# Altium PCB Control_Board_Model_C204.PcbDoc (part 3 of 6) (continued)
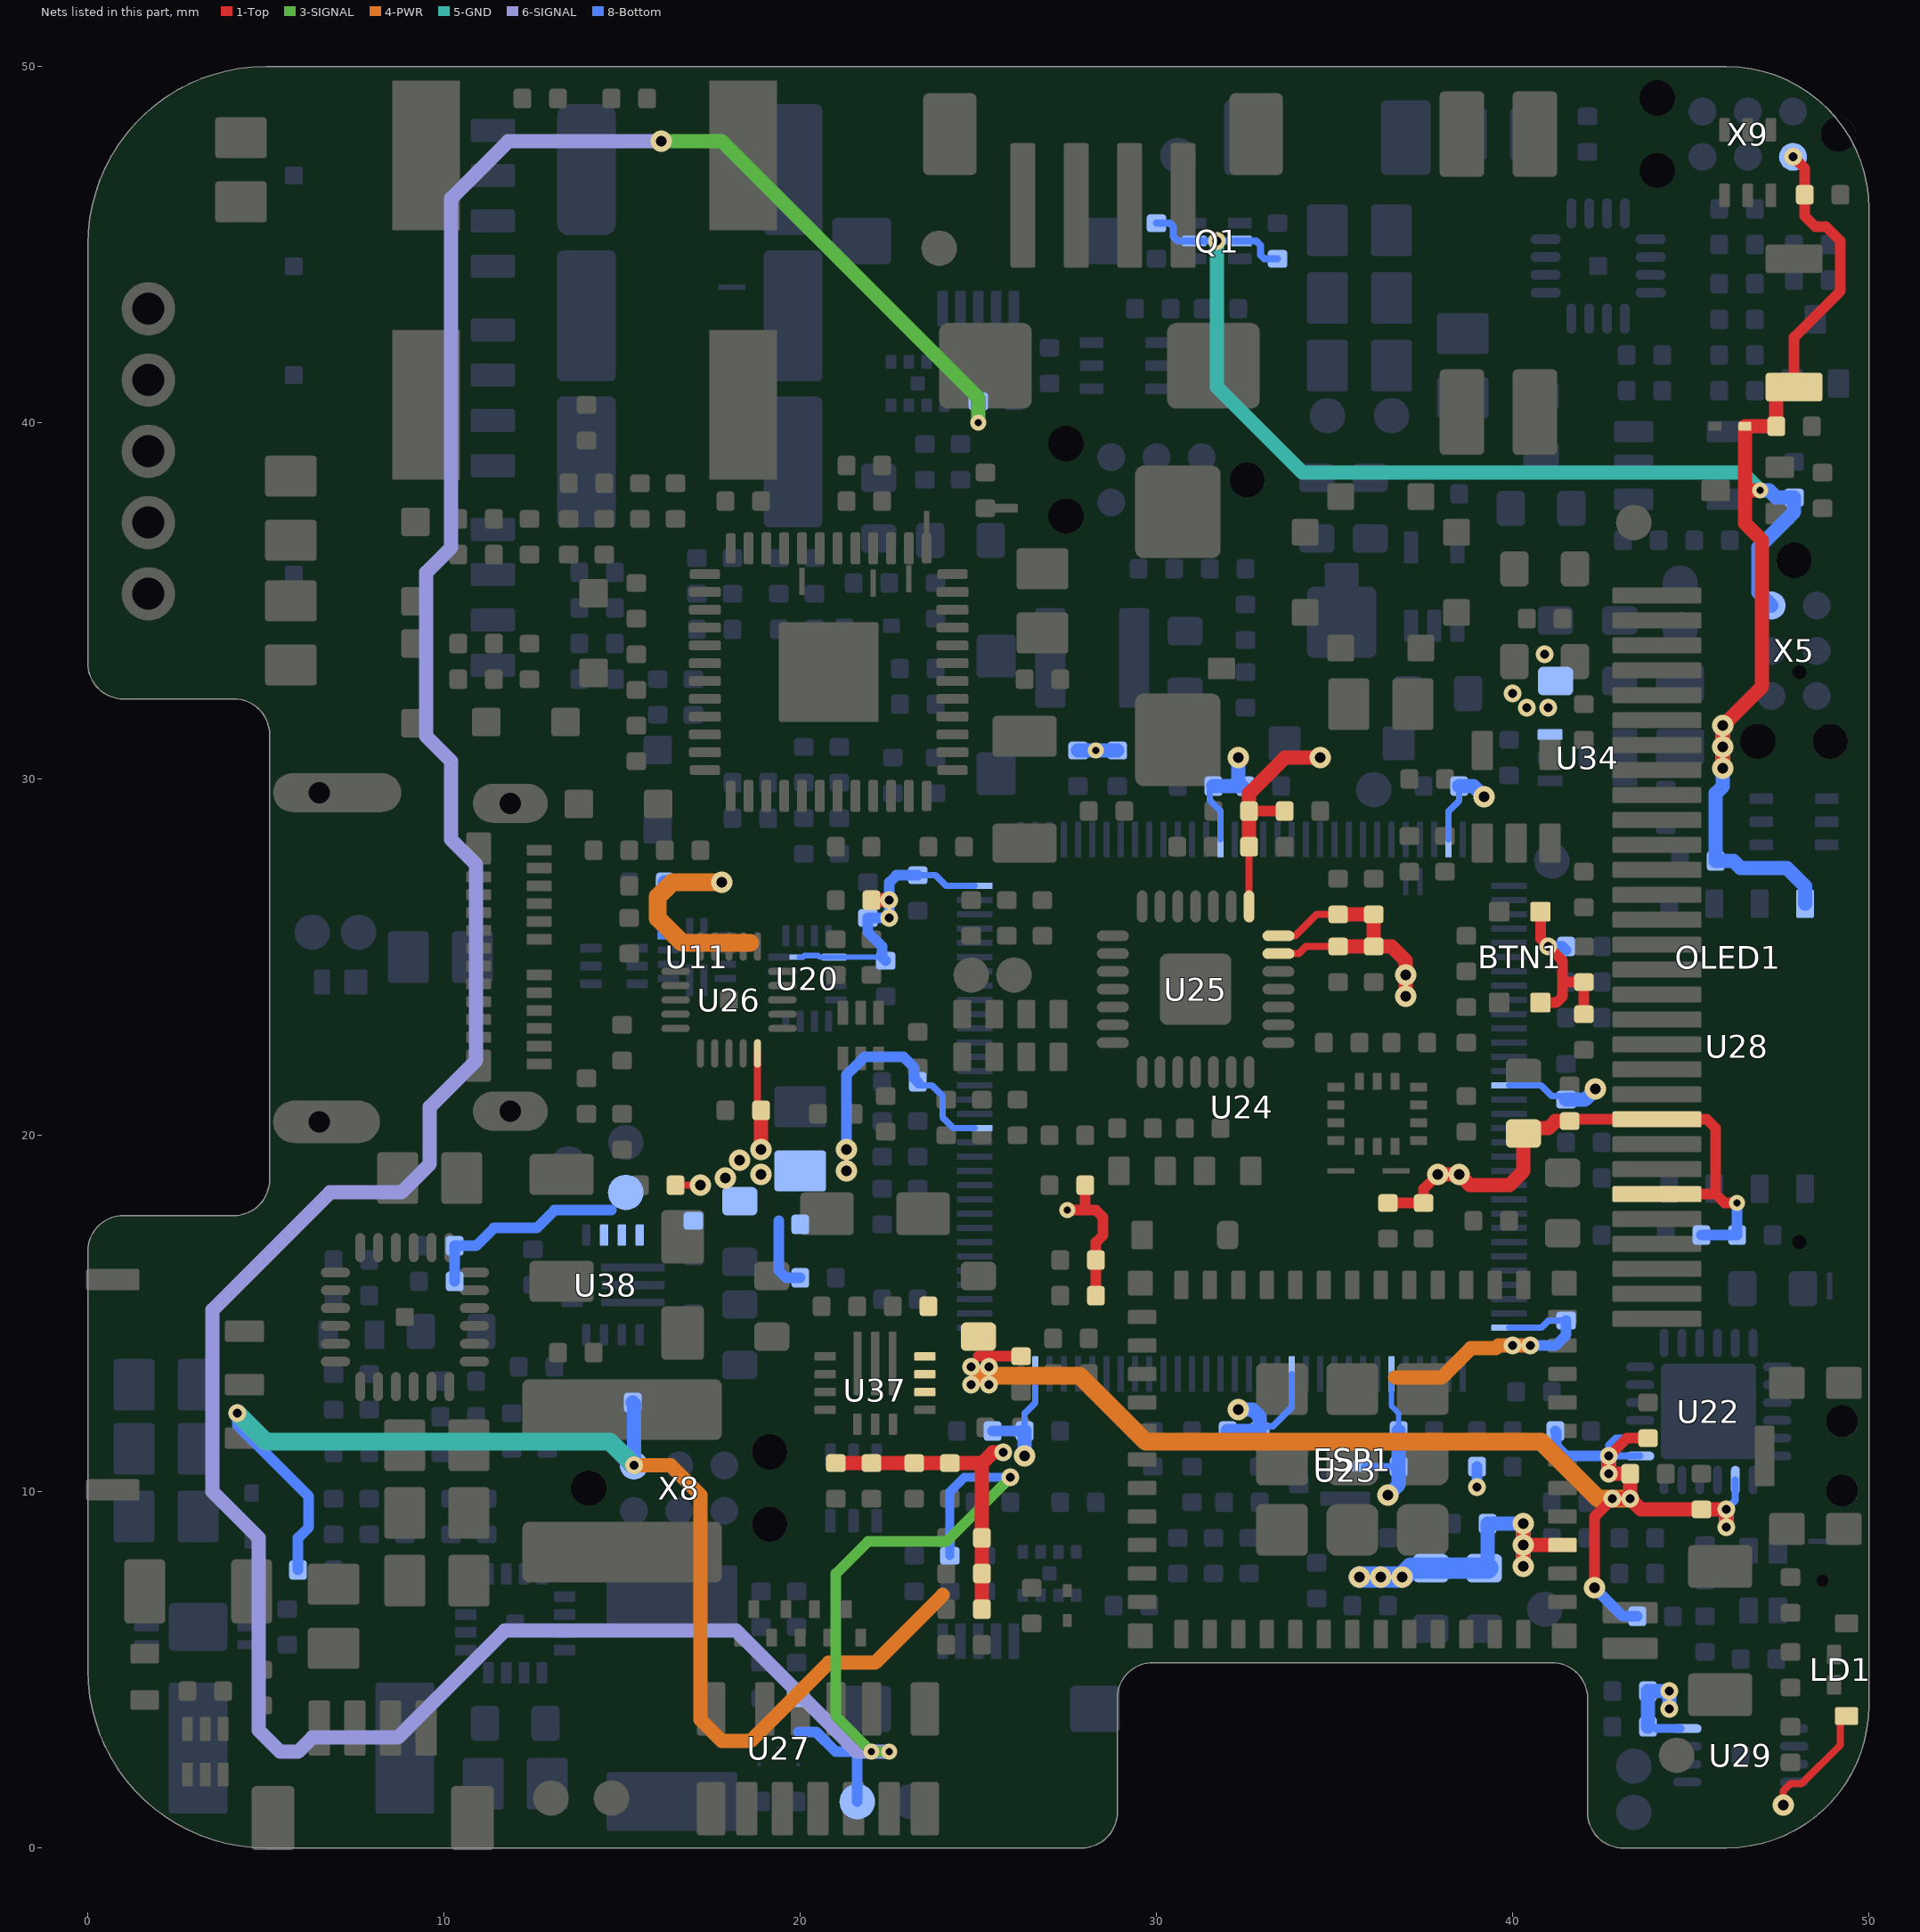
[diagram p9: the nets of this part, all layers, seen from the top]
## Part data (continued)
U15: library part "CMC 200MA 2LN SMD ESD", "2 Line Common Mode Choke Surface Mount  200mA DCR 2.5Ohm", Case/Package=QFN, Current=200mA, DC Resistance (DCR)=2.5R, Manufacturer=STMicroelectronics, Max Operating Temperature=85°C, Min Operating Temperature=-40°C, Package Quantity=1, Supplier Part Number 1=497-10773-1-ND, ComponentLink1Description=http://www.st.com/web/en/resource/technical/document/datasheet/CD00282307.pdf?src-supplier=Future+Electronics, ComponentLink1URL=http://www.st.com/web/en/resource/technical/document/datasheet/CD00282307.pdf?src-supplier=Future+Electronics, ComponentLink2Description=http://www.st.com/content/ccc/resource/technical/document/datasheet/3a/28/cf/d0/31/63/48/8c/CD00282307.pdf/files/CD00282307.pdf/jcr:content/translations/en.CD00282307.pdf?src-supplier=Digi-Key, ComponentLink2URL=http://www.st.com/content/ccc/resource/technical/document/datasheet/3a/28/cf/d0/31/63/48/8c/CD00282307.pdf/files/CD00282307.pdf/jcr:content/translations/en.CD00282307.pdf?src-supplier=Digi-Key, ComponentLink3Description=http://www.mouser.com/ds/2/389/ecmf02-2amx6-954491.pdf?src-supplier=Mouser, ComponentLink3URL=http://www.mouser.com/ds/2/389/ecmf02-2amx6-954491.pdf?src-supplier=Mouser, ComponentLink4Description=https://www.verical.com/server-webapp/html/getDatasheet?partID=259862&src-supplier=Verical, ComponentLink4URL=https://www.verical.com/server-webapp/html/getDatasheet?partID=259862&src-supplier=Verical, Current Rating=200mA, Depth=1.55mm, Height=0.022inch, Lead Free="Lead Free", Length=1.75mm, Manufacturer Part Number=ECMF02-2AMX6, Max Current Rating=200mA, Mount="Surface Mount", Number of Lines=2, Number of Pins=6, Packaging="Tape and Reel", Pricing 1="1=0.48, 10=0.418, 25=0.3888, 50=0.3288, 100=0.2989, 250=0.281, 500=0.2511, 1000=0.2033 (USD)", Radiation Hardening=No, REACH SVHC="No SVHC", Stock 1=23653, Supplier 1=Digi-Key, Termination=Flat, Width=0.059inch
U16: library part "IC 24LC00T-I/OT EEPROM 128 I2C SOT23-5", "EEPROM Memory IC 128b (16 x 8) I²C 400kHz 3500ns SOT-23-5", Case/Package=SOT-23, Frequency=400kHz, Manufacturer=Microchip, Max Operating Temperature=85°C, Max Supply Voltage=5.5V, Min Operating Temperature=-40°C, Min Supply Voltage=2.5V, Nominal Supply Current=2mA, Package Quantity=3000, Supplier Part Number 1=24LC00T-I/OTCT-ND, Access Time=900ns, ComponentLink1Description=http://www.farnell.com/datasheets/1669367.pdf?src-supplier=Element14, ComponentLink1URL=http://www.farnell.com/datasheets/1669367.pdf?src-supplier=Element14, ComponentLink2Description=http://ww1.microchip.com/downloads/en/DeviceDoc/21178H.pdf?src-supplier=Avnet+Europe, ComponentLink2URL=http://ww1.microchip.com/downloads/en/DeviceDoc/21178H.pdf?src-supplier=Avnet+Europe, ComponentLink3Description=http://www.microchip.com/mymicrochip/filehandler.aspx?ddocname=en011773&src-supplier=Future+Electronics, ComponentLink3URL=http://www.microchip.com/mymicrochip/filehandler.aspx?ddocname=en011773&src-supplier=Future+Electronics, ComponentLink4Description=https://www.distrelec.biz/Web/Downloads/_t/ds/24AA00_24LC00_24C00_eng_tds.pdf?mime=application%2Fpdf&src-supplier=Distrelec, ComponentLink4URL=https://www.distrelec.biz/Web/Downloads/_t/ds/24AA00_24LC00_24C00_eng_tds.pdf?mime=application%2Fpdf&src-supplier=Distrelec, ComponentLink5Description=https://www.verical.com/server-webapp/html/getDatasheet?partID=790518&src-supplier=Verical, ComponentLink5URL=https://www.verical.com/server-webapp/html/getDatasheet?partID=790518&src-supplier=Verical, ComponentLink6Description=http://www.produktinfo.conrad.com/datenblaetter/1000000-1099999/001085284-da-01-en-IC_EEPROM_128B_24LC00T_I_OT_SOT_23_5_MCP.pdf?src-supplier=Conrad, ComponentLink6URL=http://www.produktinfo.conrad.com/datenblaetter/1000000-1099999/001085284-da-01-en-IC_EEPROM_128B_24LC00T_I_OT_SOT_23_5_MCP.pdf?src-supplier=Conrad, Contact Plating=Tin,Matte, Density=128b, Height=1.3mm, Interface=I2C,2-Wire,Serial, Lead Free="Lead Free", Length=3.1mm, Manufacturer Part Number=24LC00T-I/OT, Max Frequency=400kHz, Memory Size=128b, Memory Type=EEPROM, Mount="Surface Mount", Number of Pins=5, Packaging="Tape and Reel", Pricing 1="1=0.19, 100=0.1785 (USD)", Radiation Hardening=No, REACH SVHC="No SVHC", Stock 1=29747, Supplier 1=Digi-Key, Width=1.8mm
U17: library part "IC RV-3028 RTC CLK/CALENDAR I2C 8-SMT", "2-Bit Bidirectional Voltage-Level Translator for Open-Drain Application", Manufacturer="Micro Crystal", Supplier Part Number 1=2195-RV-3028-C732.768KHZ1PPM-TA-QCCT-ND, Manufacturer Part Number="RV-3028-C7 32.768KHZ 1PPM-TA-QC", Mount="Surface Mount", Pricing 1="1=2.71, 10=2.435, 25=2.3016, 100=1.9949, 250=1.8926, 500=1.6982 (USD)", Stock 1=4121, Supplier 1=Digi-Key
U18: library part "IC TPS55340RTET REG BOOST ADJ 5.25A 16WQFN", "Boost Switching Regulator IC Positive, Isolation Capable Adjustable 2.9V 1 Output 5.25A (Switch) 16-WFQFN Exposed Pad", Manufacturer="Texas Instruments", Max Input Voltage=32V, Max Operating Temperature=150°C, Max Output Current=5A, Max Output Voltage=38V, Min Input Voltage=2.9V, Min Operating Temperature=-40°C, Package Quantity=1, Quiescent Current=500uA, Supplier Part Number 1=296-30530-1-ND, Switching Frequency=1.14MHz, ComponentLink1Description=http://www.ti.com/general/docs/lit/getliterature.tsp?genericPartNumber=TPS55340&amp;&amp;fileType=pdf&src-supplier=Newark, ComponentLink1URL=http://www.ti.com/general/docs/lit/getliterature.tsp?genericPartNumber=TPS55340&amp;&amp;fileType=pdf&src-supplier=Newark, ComponentLink2Description=http://www.ti.com/general/docs/lit/getliterature.tsp?genericPartNumber=TPS55340&&fileType=pdf&src-supplier=Avnet, ComponentLink2URL=http://www.ti.com/general/docs/lit/getliterature.tsp?genericPartNumber=TPS55340&&fileType=pdf&src-supplier=Avnet, ComponentLink3Description=http://www.farnell.com/datasheets/2019229.pdf?src-supplier=Element14, ComponentLink3URL=http://www.farnell.com/datasheets/2019229.pdf?src-supplier=Element14, ComponentLink4Description=http://www.ti.com/lit/ds/symlink/tps55340.pdf?src-supplier=Avnet+Europe, ComponentLink4URL=http://www.ti.com/lit/ds/symlink/tps55340.pdf?src-supplier=Avnet+Europe, Height=0.72mm, Lead Free="Lead Free", Length=3.15mm, Manufacturer Part Number=TPS55340RTET, Min Output Voltage=2.9V, Mount="Surface Mount", Number of Outputs=1, Number of Pins=16, Output Current=5A, Output Type=Adjustable, Output Voltage=38V, Packaging="Tape and Reel", Pricing 1="1=3.76, 10=3.372, 25=3.1884, 100=2.6215 (USD)", Radiation Hardening=No, REACH SVHC="No SVHC", Stock 1=6832, Supplier 1=Digi-Key, Synchronous Rectifier=No, Topology=Boost,Flyback,SEPIC, Width=3.15mm
U19: library part "IC OPA171 OPAMP GP 1 CIRCUIT SOT-23-5", "General Purpose Amplifier 1 Circuit Rail-to-Rail SOT-23-5", Case/Package=SOT-23-5, Input Bias Current=15pA, Input Offset Voltage (Vos)=250uV, Manufacturer="Texas Instruments", Manufacturer Part Number=OPA171AIDBVR, Max Dual Supply Voltage=18V, Max I/O Voltage=1.8mV, Max Operating Temperature=125°C, Max Supply Voltage=36V, Min Dual Supply Voltage=1.35V, Min Operating Temperature=-40°C, Min Supply Voltage=2.7V, Nominal Supply Current=475uA, Output Current=25mA, Output Current per Channel=35mA, Package Quantity=3000, Power Supply Rejection Ratio (PSRR)=120dB, Supplier Part Number 1=296-37698-1-ND, Voltage Gain=130dB, Bandwidth=3MHz, Common Mode Rejection Ratio=104dB, ComponentLink1Description=http://www.ti.com/lit/ds/symlink/opa171.pdf?src-supplier=Digi-Key, ComponentLink1URL=http://www.ti.com/lit/ds/symlink/opa171.pdf?src-supplier=Digi-Key, Contact Plating=Gold, Gain Bandwidth Product=3MHz, Lead Free="Lead Free", Mount="Surface Mount", Nominal Gain Bandwidth Product=3MHz, Number of Amplifiers=1, Number of Channels=1, Number of Circuits=1, Number of Elements=1, Number of Pins=5, Operating Supply Current=475uA, Operating Supply Voltage=18V, Packaging="Tape and Reel", Pricing 1="1=1.36, 10=1.215, 100=0.9476, 500=0.7828, 1000=0.618 (USD)", Radiation Hardening=No, REACH SVHC="No SVHC", Slew Rate=1.5V/µs, Stock 1=126525, Supplier 1=Digi-Key, Unity Gain Bandwidth Product=3MHz
U20: library part "IC TS3USBCA410IRSVT SBU MUX 3TO1 W/ MIC AND GNDIND T", "USB Switch IC 1 Channel 16-UQFN (2.6x1.8)", Manufacturer="Texas Instruments", Max Operating Temperature=85°C, Min Operating Temperature=-40°C, Supplier Part Number 1=296-52158-1-ND, ComponentLink1Description=Datasheet, ComponentLink1URL=https://www.ti.com/lit/gpn/ts3usbca4, Manufacturer Part Number=TS3USBCA410IRSVT, Mount="Surface Mount", Number of Channels=3, Pricing 1="1=1.07, 10=0.959, 25=0.91, 100=0.6988 (USD)", Stock 1=250, Supplier 1=Digi-Key
U21: library part "IC BMI270 IMU ACCEL/GYRO I2C/SPI 14LGA", "Accelerometer, Gyroscope, 6 Axis Sensor I²C, SPI Output", Manufacturer="Bosch Sensortec", Supplier Part Number 1=828-1091-1-ND, Manufacturer Part Number=BMI270, Pricing 1="1=5.75, 5=5.07, 10=4.478, 25=3.6336, 50=3.211, 100=3.1265, 500=2.6195, 1000=2.4505 (USD)", Stock 1=0, Supplier 1=Digi-Key
U22: library part "IC CMX655DQ6-TR1K VOICE CODEC 16BIT 24VQFN", "Voice-Band Interface 16 b I²S, PCM, SPI 24-VQFN (4x4)", Case/Package=VQFN, Manufacturer="CML Microcircuits", Supplier Part Number 1=226-CMX655DQ6, ComponentLink1Description=https://www.cmlmicro.com/wp-content/uploads/2018/10/CMX655_ds.pdf?src-supplier=Digi-Key, ComponentLink1URL=https://www.cmlmicro.com/wp-content/uploads/2018/10/CMX655_ds.pdf?src-supplier=Digi-Key, Manufacturer Part Number=CMX655DQ6, Mount="Surface Mount", Packaging="Cut Tape", Pricing 1="1=1.41, 10=1.41, 50=1.36, 100=1.22, 1000=1.07, 10000=1.01 (USD)", Stock 1=164, Supplier 1=Mouser, Supplier 2=Digi-Key, Supplier Part Number 2=2032-1036-1-ND
U23: "32.768kHz XO (Standard) LVCMOS Oscillator 1.5V ~ 3.63V  4-SMD, No Lead", Case/Package=SMD/SMT, Current Rating=1.35uA, Frequency=32.768kHz, Frequency Stability=100ppm, Load Capacitance=10pF, Manufacturer=SiTime, Manufacturer Part Number=SIT1533AI-H4-DCC-32.768E, Max Operating Temperature=85°C, Max Supply Current=1.4uA, Max Supply Voltage=3.63V, Min Operating Temperature=-40°C, Min Supply Voltage=1.5V, Package Quantity=1000, Supplier Part Number 1=1473-1239-1-ND, ClassName=MCU, ComponentLink1Description=https://www.sitime.com/datasheet/SiT1533?src-supplier=Digi-Key, ComponentLink1URL=https://www.sitime.com/datasheet/SiT1533?src-supplier=Digi-Key, ComponentLink2Description=http://www.mouser.com/ds/2/371/SiT1533-datasheet-275337.pdf?src-supplier=Mouser, ComponentLink2URL=http://www.mouser.com/ds/2/371/SiT1533-datasheet-275337.pdf?src-supplier=Mouser, ComponentLink3Description=http://components.arrow.com/part/dataview/0323_07137603?src-supplier=Arrow+Europe, ComponentLink3URL=http://components.arrow.com/part/dataview/0323_07137603?src-supplier=Arrow+Europe, Height=0.024inch, Length=0.079inch, Max Duty Cycle=52%, Mount="Surface Mount", Number of Pins=4, Packaging="Tape and Reel", Pricing 1="1=1.1, 10=0.975, 50=0.9116, 100=0.8056, 500=0.7632 (USD)", RoHS Compliant=Yes, Stock 1=89278, Supplier 1=Digi-Key, Termination=SMD/SMT, Width=0.047inch
U24: library part "IC STM32G473QETx MCU 32BIT 512KB FLASH 128LQFP", "ARM® Cortex®-M4 STM32G4 Microcontroller IC 32-Bit 170MHz 512KB (512K x 8) FLASH 128-LQFP (14x14)", Manufacturer=STMicroelectronics, Supplier Part Number 1=497-STM32G473QET6-ND, Manufacturer Part Number=STM32G473QET6, Pricing 1="540=7.5029 (USD)", Stock 1=0, Supplier 1=Digi-Key
U25: library part "IC CP2102N USB TO UART BRIDGE QFN28", "USB Bridge, USB to UART USB 2.0 UART Interface 28-QFN (5x5)", Manufacturer="Silicon Labs", Supplier Part Number 1=336-5890-1-ND, ComponentLink1Description=https://4donline.ihs.com/images/VipMasterIC/IC/SILC/SILC-S-A0007770867/SILC-S-A0007770867-1.pdf?hkey=6D3A4C79FDBF58556ACFDE234799DDF0&src-supplier=Farnell, ComponentLink1URL=https://4donline.ihs.com/images/VipMasterIC/IC/SILC/SILC-S-A0007770867/SILC-S-A0007770867-1.pdf?hkey=6D3A4C79FDBF58556ACFDE234799DDF0&src-supplier=Farnell, Manufacturer Part Number=CP2102N-A02-GQFN28R, Mount="Surface Mount", Pricing 1="1=1.4, 25=1.3516, 100=1.2995 (USD)", Stock 1=3461, Supplier 1=Digi-Key
U26: library part "IC TPD6S300A USB-C ESD PROTECTION", "USB Type-C™ Port Protector: Short-to-VBUS Overvoltage  and IEC ESD Protection", Manufacturer="Texas Instruments", Maximum Operating Temperature="+ 85 C", Minimum Operating Temperature="- 40 C", Operating Supply Current="600 mA", Operating Supply Voltage="3.3 V", Package / Case=WQFN-20, Supplier Part Number 1=595-TPD6S300ARUKR, Supply Voltage - Max="3.6 V", Supply Voltage - Min="2.7 V", Brand="Texas Instruments", Category="USB Interface IC", Data Rate=-, ESD Protection="ESD Protection", Interface Type=USB, Manufacturer Part Number=TPD6S300ARUKR, Minimum Order Quantity=1, Moisture Sensitive=Yes, Mount="Surface Mount", Mounting Style=SMD/SMT, Packaging="Cut Tape", Pricing 1="1=1.31, 10=1.11, 100=0.852, 500=0.753, 1000=0.594, 3000=0.555, 6000=0.527, 9000=0.507 (USD)", Product="USB Protectors", Product Type="USB Interface IC", Reeling=True, RoHS="RoHS Compliant", RoHS - Mouser=Y, Series=TPD6S300A, Speed="Super Speed", Standard="USB-C 2.0", Standard Pack Qty=3000, Stock 1=6078, Subcategory="Interface ICs", Supplier 1=Mouser, Supplier 2=Digi-Key, Supplier Part Number 2=296-51856-1-ND
U27: library part "IC LDLN025 REG LINEAR 1.8V 250MA 4DFN", "Linear Voltage Regulator IC 1 Output 250mA 4-DFN (1x1)", Case/Package=DFN, Dropout Voltage=250mV, Manufacturer=STMicroelectronics, Max Input Voltage=5.5V, Max Operating Temperature=125°C, Max Supply Current=425uA, Min Operating Temperature=-40°C, Min Output Voltage=1.8V, Output Current=250mA, Power Supply Rejection Ratio (PSRR)=60dB, Quiescent Current=25uA, Supplier Part Number 1=497-17000-1-ND, ComponentLink1Description=http://www.st.com/content/ccc/resource/technical/document/datasheet/group3/a7/8d/6a/ac/ed/d0/4f/f4/DM00312779/files/DM00312779.pdf/jcr:content/translations/en.DM00312779.pdf?src-supplier=Digi-Key, ComponentLink1URL=http://www.st.com/content/ccc/resource/technical/document/datasheet/group3/a7/8d/6a/ac/ed/d0/4f/f4/DM00312779/files/DM00312779.pdf/jcr:content/translations/en.DM00312779.pdf?src-supplier=Digi-Key, Manufacturer Part Number=LDLN025PU18R, Mount="Surface Mount", Number of Regulators=1, Output Configuration=Positive, Output Type=Fixed, Packaging="Tape and Reel", Pricing 1="1=0.61, 10=0.525, 25=0.49, 100=0.364, 250=0.308, 500=0.294, 1000=0.217, 2500=0.203 (USD)", Stock 1=4322, Supplier 1=Digi-Key
U28: library part "IC MT29F2G01 FLASH 2G SPI 133MHZ 8UPDFN", "FLASH - NAND Memory IC 2Gb (2G x 1) SPI 8-U-PDFN (8x6)", Frequency=133MHz, Manufacturer="Micron Technology", Max Operating Temperature=85°C, Min Operating Temperature=-40°C, Supplier Part Number 1=557-1664-1-ND, ComponentLink1Description=https://www.digikey.com/en/products/detail/micron-technology-inc/MT29F2G01ABAGDWB-IT-G-TR/6136124, ComponentLink1URL=https://www.digikey.com/en/products/detail/micron-technology-inc/MT29F2G01ABAGDWB-IT-G-TR/6136124, Manufacturer Part Number="MT29F2G01ABAGDWB-IT:G TR", Memory Size=2Gb, Memory Type=Non-Volatile,FLASH, Mount="Surface Mount", Packaging="Cut Tape", Pricing 1="1=3.45, 10=3.129, 25=3.0612, 50=3.0442, 100=2.7301, 250=2.72, 500=2.6198, 1000=2.4908 (USD)", Stock 1=4000, Supplier 1=Digi-Key
U29: library part "IC PCA9632TK,118 LED DRVR LIN DIM 25MA 8HVSON", "LED Driver IC 4 Output Power Switch  PWM Dimming 25mA 8-HVSON (3x3)", Frequency=400kHz, Low Level Output Current=100mA, Manufacturer="NXP Semiconductors", Max Operating Temperature=85°C, Max Power Dissipation=400mW, Max Supply Current=108uA, Max Supply Voltage=5.5V, Min Operating Temperature=-40°C, Min Supply Voltage=2.3V, Nominal Supply Current=150uA, Package Quantity=1, Supplier Part Number 1=568-8715-1-ND, 7B-I2C_ADDR="0b1100010 (0x62)", ComponentLink1Description=http://www.nxp.com/documents/data_sheet/PCA9632.pdf?src-supplier=Digi-Key, ComponentLink1URL=http://www.nxp.com/documents/data_sheet/PCA9632.pdf?src-supplier=Digi-Key, ComponentLink2Description=https://www.nxp.com/docs/en/brochure/75016950.pdf?src-supplier=Digi-Key, ComponentLink2URL=https://www.nxp.com/docs/en/brochure/75016950.pdf?src-supplier=Digi-Key, ComponentLink3Description=http://www.classic.nxp.com/documents/data_sheet/PCA9632.pdf?src-supplier=Avnet+Europe, ComponentLink3URL=http://www.classic.nxp.com/documents/data_sheet/PCA9632.pdf?src-supplier=Avnet+Europe, Contact Plating=Gold, Lead Free="Lead Free", Manufacturer Part Number=PCA9632TK,118, Mount="Surface Mount", Number of Outputs=4, Number of Pins=8, Number of Segments=4, Output Voltage=5.5V, Packaging="Tape and Reel", Power Dissipation=400mW, Pricing 1="1=1.33, 10=1.192, 25=1.1312, 100=0.8686, 250=0.7676, 500=0.7272, 1000=0.5656, 2500=0.5373 (USD)", Radiation Hardening=No, Stock 1=2394, Supplier 1=Digi-Key
U30: library part "IC SPH0641LM4H-1 MORELLO MIC MULTIMODE DGT BOT PT", "100 Hz ~ 10 kHz Microphone 1.62 V ~ 3.6 V ()", Manufacturer=Infineon, Operating Supply Current="700 uA", Supplier Part Number 1=423-1395-1-ND, ComponentLink1Description=https://www.digikey.com/en/products/detail/knowles/SPH0641LM4H-1/5052769?s=N4IgTCBcDaIMoAUASAGAbAFgIwBkCyGSAtFiALoC%2BQA, ComponentLink1URL=https://www.digikey.com/en/products/detail/knowles/SPH0641LM4H-1/5052769?s=N4IgTCBcDaIMoAUASAGAbAFgIwBkCyGSAtFiALoC%2BQA, Direction=Omnidirectional, Halogen Free="Halogen Free", Lead Free="Lead Free", Manufacturer Part Number=SPH0641LM4H-1, Output Type=Digital, Packaging="Cut Tape", RoHS Compliant=Yes, Shape=Rectangular, Stock 1=16861, Supplier 1=Digi-Key, Termination=Solder
U32: library part "IC BLDC CTLR STM32 48VFQFPN", "Multiphase Motor Driver Power MOSFET Analog, I²C, PWM 48VFQFPN", Manufacturer=STMicroelectronics, Maximum Operating Temperature="+ 125 C", Minimum Operating Temperature="- 40 C", Operating Frequency="100 kHz", Operating Supply Current="5 mA", Operating Supply Voltage="6.7 V to 45 V", Operating Temperature Range="- 40 C to + 125 C", Output Voltage="3.3 V", Package / Case=48VFQFPN, Supplier Part Number 1=497-19688-1-ND, Brand=STMicroelectronics, Category="Motor / Motion / Ignition Controllers & Drivers", Features="Buck Step Down Converter, Initial Position Detect (IPD), Rotor Lock Protection, SPI/I2C, Integrated", Manufacturer Part Number=STSPIN32F0ATR, Minimum Order Quantity=1, Moisture Sensitive=Yes, Mount="Surface Mount", Number of Outputs="3 Output", Packaging="Cut Tape", Product="Brushless DC Motor Controllers", Product Type="Motor / Motion / Ignition Controllers & Drivers", Reeling=True, RoHS="RoHS Compliant", RoHS - Mouser=Y, Series=STSPIN32, Standard Pack Qty=3000, Stock 1=2979, Subcategory="PMIC - Power Management ICs", Supplier 1=Digi-Key, Type="Half Bridge"
U33: library part "IC TPS61169 WLED BACKLIGHT DRIVER SC70-5", "LED Driver IC 1 Output DC DC Regulator Step-Up (Boost) PWM Dimming 1.8A (Switch) SC-70-5", Case/Package=SC, Frequency=1.2MHz, Manufacturer="Texas Instruments", Max Input Voltage=5.5V, Max Operating Temperature=85°C, Max Output Current=2.4A, Max Output Voltage=38V, Min Input Voltage=2.7V, Min Operating Temperature=-40°C, Nominal Input Voltage (DC)=3.6V, Output Current=400mA, Output Current per Channel=1.8A, Package Quantity=3000, Supplier Part Number 1=296-40821-1-ND, ComponentLink1Description=http://www.ti.com/general/docs/lit/getliterature.tsp?genericPartNumber=TPS61169&&fileType=pdf&src-supplier=Element14, ComponentLink1URL=http://www.ti.com/general/docs/lit/getliterature.tsp?genericPartNumber=TPS61169&&fileType=pdf&src-supplier=Element14, ComponentLink2Description=http://www.ti.com/general/docs/lit/getliterature.tsp?genericPartNumber=TPS61169&amp;&amp;fileType=pdf&src-supplier=Farnell, ComponentLink2URL=http://www.ti.com/general/docs/lit/getliterature.tsp?genericPartNumber=TPS61169&amp;&amp;fileType=pdf&src-supplier=Farnell, ComponentLink3Description=http://www.ti.com/lit/ds/symlink/tps61169.pdf?src-supplier=Digi-Key, ComponentLink3URL=http://www.ti.com/lit/ds/symlink/tps61169.pdf?src-supplier=Digi-Key, ComponentLink4Description=http://www.ti.com/general/docs/lit/getliterature.tsp?genericPartNumber=TPS61169&&fileType=pdf&src-supplier=Avnet, ComponentLink4URL=http://www.ti.com/general/docs/lit/getliterature.tsp?genericPartNumber=TPS61169&&fileType=pdf&src-supplier=Avnet, ComponentLink5Description=http://www.ti.com/lit/gpn/tps61169?src-supplier=Mouser, ComponentLink5URL=http://www.ti.com/lit/gpn/tps61169?src-supplier=Mouser, Contact Plating=Gold, Dimming=PWM, Height=1.1mm, Lead Free="Lead Free", Length=2mm, Manufacturer Part Number=TPS61169DCKR, Max Input Voltage (DC)=5.5V, Max Supply Voltage=5.5V, Min Output Voltage=2.7V, Mount="Surface Mount", Number of Channels=1, Number of Outputs=1, Number of Pins=5, Output Type=Frequency, Output Voltage=38V, Packaging="Tape and Reel", Pricing 1="1=0.9, 10=0.805, 25=0.7644, 100=0.587, 250=0.5187, 500=0.4914, 1000=0.3822 (USD)", REACH SVHC="No SVHC", Stock 1=112915, Supplier 1=Digi-Key, Switching Frequency=1.2MHz, Topology=Boost, Weight=0.000705oz, Width=1.25mm
U34: library part "IC TPS22810DRVT PWR SWITCH N-CHAN 1:1 6WSON", "TPS22810, 2.7-18-V, 79-mOhm On-Resistance Load Switch With Thermal Protection", Manufacturer="Texas Instruments", Max Operating Temperature=105°C, Max Output Current=3A, Min Operating Temperature=-40°C, Supplier Part Number 1=296-46947-1-ND, ComponentLink1Description=http://www.ti.com/lit/ds/symlink/tps22810.pdf?src-supplier=Digi-Key, ComponentLink1URL=http://www.ti.com/lit/ds/symlink/tps22810.pdf?src-supplier=Digi-Key, ComponentLink2Description=http://www.ti.com/general/docs/lit/getliterature.tsp?genericPartNumber=TPS22810&fileType=pdf&src-supplier=Farnell, ComponentLink2URL=http://www.ti.com/general/docs/lit/getliterature.tsp?genericPartNumber=TPS22810&fileType=pdf&src-supplier=Farnell, Fault Protection="Over Temperature", Interface=On/Off, Manufacturer Part Number=TPS22810DRVT, Mount="Surface Mount", Number of Channels=1, Number of Outputs=1, Output Configuration="High Side", Packaging="Tape and Reel", Pricing 1="1=0.66, 10=0.581, 25=0.5456, 100=0.4136 (USD)", Stock 1=5029, Supplier 1=Digi-Key
U35: library part "IC BQ25890RTWT BATT CHG LI-ION 1CELL 24WQFN", "Charger IC Lithium Ion/Polymer 24WQFN", Manufacturer="Texas Instruments", Supplier Part Number 1=296-44881-2-ND, Brand="Texas Instruments", Category="Battery Management", ComponentLink1Description=https://www.digikey.com/en/products/detail/texas-instruments/BQ25890HRTWT/6217606, ComponentLink1URL=https://www.digikey.com/en/products/detail/texas-instruments/BQ25890HRTWT/6217606, Manufacturer Part Number=BQ25890RTWT, Minimum Order Quantity=1, Moisture Sensitive=Yes, Mount="Surface Mount", Packaging="Cut Tape", Pricing 1="1=4.41, 10=3.96, 100=3.34, 250=2.91, 500=2.76, 1000=2.33, 2500=2.21, 5000=2.13 (USD)", Product Status="New Product", Product Type="Battery Management", Reeling=True, RoHS="RoHS Compliant", RoHS - Mouser=Y, Standard Pack Qty=250, Stock 1=208, Subcategory="PMIC - Power Management ICs"
U37 U38: library part "IC TPS630250RNCT REG BCK BST ADJ 2A/4A 14VQFN", "Buck-Boost Switching Regulator IC Positive Adjustable 2.3V 1 Output 2A, 4A 14-VFQFN", Manufacturer="Texas Instruments", Supplier Part Number 1=296-42036-2-ND, ComponentLink1Description=https://www.digikey.be/product-detail/en/texas-instruments/TPS630250RNCT/296-42036-2-ND/5226740, ComponentLink1URL=https://www.digikey.be/product-detail/en/texas-instruments/TPS630250RNCT/296-42036-2-ND/5226740, Manufacturer Part Number=TPS630250RNCT, Pricing 1="1=2.81, 10=2.523, 25=2.3848, 100=1.961, 250=1.7596, 500=1.696, 1000=1.4098 (USD)", Stock 1=2595, Supplier 1=Digi-Key
X1: library part "CONN FFC VERT 9POS 0.50MM SMD", "9 Position FFC, FPC Connector Contacts, Vertical - 1 Sided 0.020\" (0.50mm) Surface Mount", Current Rating=500mA, Manufacturer=Molex, Manufacturer Part Number=0525590952, Package Quantity=1000, Supplier Part Number 1=WM10983TR-ND, Voltage Rating=50V, ComponentLink1Description=https://www.digikey.com/en/products/detail/molex/0525590952/3262913?s=N4IgTCBcDaIKxjnAnABmQkBdAvkA, ComponentLink1URL=https://www.digikey.com/en/products/detail/molex/0525590952/3262913?s=N4IgTCBcDaIKxjnAnABmQkBdAvkA, Contact Material=Gold, Contact Plating=Gold, Housing Material=Nylon, Mount="Surface Mount", Number of Circuits=12, Number of Contacts=12, Number of Positions=12, Number of Rows=1, Packaging="Tape and Reel", pin_1=KEY1, pin_2=KEY2, pin_3=KEY3, pin_4=KEY4, pin_5=KEY5, pin_6=KEY6, pin_7=KEY7, pin_8=KEY8, pin_9=GND, Pitch=0.5mm, Pricing 1="1=2.66, 10=2.267, 100=1.8728 (USD)", REACH SVHC=Unknown, Series=052745, Stock 1=4369, Supplier 1=Digi-Key, Termination=SMD/SMT
X5 X7 X8 X9: library part TC2030-IDC-NL, "Tag-Connect TC2030-MCP-NL (3x2 pins No Legs)", Manufacturer="Tag-Connect LLC", Manufacturer Part Number=TC2030-IDC-NL

## Free pads (board coordinates)
  round 1 smd far side paste-1: 1(13.5,19.2) 1(30.6,47.5) 1(40.9,6.7)
  round 1 smd paste-1: 1(23.9,44.9) 1(43.4,37.2) 1(44.6,2.6)

## Via types
v1: diameter 0.45, hole 0.2, 1-Top to 8-Bottom, tented both sides, 333 vias
v2: diameter 0.5, hole 0.25, 7-GND to 8-Bottom, tented bottom, 258 vias
v3: diameter 0.6, hole 0.3, 1-Top to 8-Bottom, tented both sides, 236 vias
v4: diameter 0.5, hole 0.25, 1-Top to 2-GND, tented top, 231 vias
v5: diameter 0.5, hole 0.25, 1-Top to 8-Bottom, tented both sides, 113 vias
v6: diameter 0.45, hole 0.2, 1-Top to 2-GND, tented top, 1 vias

## Nets (pads, with @x,y where several pads share a name; then routed paths per layer and width w, separated by ;. In a path a pad name is that pad's centre, name@x,y a point inside that pad or via, vN(x,y) a via of type N, cw(c..) or ccw(c..) an arc to the next point about the centre after c; other vN are vias at no path point)
+1V8: C123.2 R66.2 R67.2 TP9.1 U27.1 | length 108.9
  3-SIGNAL w0.3: v1(22.5,2.7) v1(22,2.7) 21,3.7 21,7.7 21.9,8.6 24.1,8.6 v5(25.9,10.4)
  3-SIGNAL w0.4: v3(16.1,47.9) 17.8,47.9 25,40.7 v1(25,40)
  6-SIGNAL w0.4: v3(16.1,47.9) 11.8,47.9 10.2,46.3 10.2,36.5 9.5,35.8 9.5,31.2 10.2,30.5 10.2,28.3 10.9,27.6 10.9,22.1 9.6,20.8 9.6,19.2 8.8,18.4 6.8,18.4 3.5,15.1 3.5,10 4.8,8.7 4.8,3.3 5.4,2.7 5.9,2.7 6.3,3.1 8.7,3.1 11.7,6.1 18.2,6.1 21.6,2.7 v1(22,2.7) v1(22.5,2.7)
  8-Bottom w0.254: R67.2@24.2,8.2 24.2,10 24.6,10.4 v5(25.9,10.4) ; v1(25,40) R66.2@25,40.6
  8-Bottom w0.3: U27.1@19.95,3.255 20.445,3.255 21,2.7 21.6,2.7 ; TP9.1@21.6,1.3 21.6,2.7 ; v1(22.5,2.7) v1(22,2.7) 21.6,2.7
+3V3: BTN1.1 C5.1 C35.2 C51.2 C77.1 C78.1 C86.2 C87.2 C88.1 C89.2 C90.1 C91.2 C92.1 C93.2 C94.1 C95.1 C96.1 C102.2 C103.2 C104.2 C105.2 C106.2 C107.2 C110.2 C111.2 C112.2 C124.2 C125.2 C126.2 C127.1 C128.1 C155.1 C168.2 C169.2 C179.2 C180.2 D1.1 ESP1.3 FB4.2 LD1.1 NT3.1 OLED1.6 OLED1.9 P4.1 Q1.2 Q1.5 R5.2 R6.2 R8.1 R9.1 R10.1 R11.1 R12.1 R13.1 R14.1 R15.1 R21.1 R22.1 R29.2 R36.2 R37.2 R38.2 R39.2 R40.2 R41.2 R59.1 R60.1 R65.1 R71.2 R106.1 R108.1 R149.1 R150.1 R151.1 R154.1 R155.1 R157.1 R158.1 R183.2 TP10.1 U11.12 U20.1 U23.4 U24.6 U24.13 U24.31 U24.47 U24.64 U24.79 U24.95 U24.111 U24.128 U25.6 U25.7 U25.8 U26.10 U28.8 U29.8 U34.6 U38.12 U38.13 U38.14 X5.2 X8.1 X9.1 | length 225.9
  1-Top w0.2: R183.2@16.5,18.6 v3(17.2,18.6) ; U26.10@18.8,22.3 18.8,20.9 C107.2@18.9,20.8 ; U25.8@32.6,26.424 C102.2@32.6,28.1 ; U25.6@33.424,25.1 34,25.1 34.2,25.3 C103.2@35.1,25.3 ; U25.7@33.424,25.6 33.9,25.6 34.5,26.2 C106.2@35.1,26.2 ; v3(47.6,1.2) 47.6,1.6 47.8,1.8 48.11,1.8 49.202,2.892 49.202,3.527 LD1.1@49.375,3.7
  1-Top w0.3: v1(27.5,17.9) 28,17.9 ; R65.1@28,18.6 28,17.9 ; R13.1@28.3,15.5 R157.1@28.3,16.5 28.3,17 28.5,17.2 28.5,17.7 28.3,17.9 28,17.9 ; R106.1@32.6,29.1 R5.2@33.6,29.1 ; R60.1@36.5,18.1 R59.1@37.5,18.1 37.5,18.5 v3(37.9,18.9) ; BTN1.1@40.78,23.725 41.225,23.725 41.4,23.9 41.4,24.35 ; BTN1.1@40.78,26.275 40.78,25.52 v5(41,25.3) 41.4,24.9 41.4,24.35 ; C128.1@41.6,20.4 41.65,20.45 OLED1.9@44.05,20.45 45.45,20.45 45.7,20.2 45.7,18.35 ; R8.1@42,23.4 R9.1@42,24.3 41.45,24.3 41.4,24.35 ; OLED1.6@44.05,18.35 45.7,18.35 ; v1(46.3,18.1) 45.95,18.1 45.7,18.35 ; P4.1@47.4,41 P4.1@47.9,41 47.9,42.4 49.2,43.7 49.2,45.1 48.8,45.5 48.5,45.5 48.2,45.8 C169.2@48.2,46.4 48.2,47.135 v5(47.87,47.465)
  1-Top w0.4: v3(18.9,19.6) C107.2@18.9,20.7 ; R29.2@21,10.8 R36.2@22,10.8 R37.2@23.2,10.8 R38.2@24.2,10.8 25.1,10.8 ; R6.2@22,26.6 v5(22.5,26.6) ; R41.2@25.1,6.7 R40.2@25.1,7.7 R39.2@25.1,8.7 25.1,10.8 ; v5(25.7,11.1) 25.4,11.1 25.1,10.8 ; C102.2@32.6,28.1 R106.1@32.6,29.1 32.6,29.6 33.6,30.6 v3(34.6,30.6) ; C103.2@35.1,25.3 C104.2@36.1,25.3 36.6,25.3 37,24.9 v3(37,24.5) v3(37,23.9) ; C106.2@35.1,26.2 C105.2@36.1,26.2 C104.2@36.1,25.3 ; v3(37.9,18.9) v3(38.5,18.9) 38.8,18.6 39.9,18.6 40.3,19 C127.1@40.3,20.05 40.45,20.2 41,20.2 41.2,20.4 C128.1@41.6,20.4 ; v3(40.3,7.9) v3(40.3,8.5) ; v3(40.3,9.1) v3(40.3,8.5) ; ESP1.3@41.4,8.5 v3(40.3,8.5) ; v3(45.9,30.3) v3(45.9,30.9) v3(45.9,31.5) 47,32.6 47,36.7 46.52,37.18 46.52,38.1 ; v1(46.951,38.1) 46.568,38.1 46.544,38.076 46.52,38.1 ; P4.1@47.4,41 C5.1@47.4,39.9 D1.1@46.52,39.9 46.52,38.1
  4-PWR w0.4: v5(15.33,10.735) 16.365,10.735 17.2,9.9 17.2,3.6 17.8,3 18.6,3 20.8,5.2 22.1,5.2 24,7.1 ; 36.7,13.2 38,13.2 38.823,14.023 39.523,14.023 39.6,14.1 v5(40,14.1) v5(40.5,14.1)
  4-PWR w0.5: v3(17.8,27.1) 16.4,27.1 16,26.7 16,26.094 16.694,25.4 18.6,25.4
  5-GND w0.4: v5(31.7,45.1) 31.7,41 34.1,38.6 46.451,38.6 v1(46.951,38.1)
  5-GND w0.5: v5(4.2,12.202) 5.002,11.4 14.665,11.4 v5(15.33,10.735)
  8-Bottom w0.152: NT3.1@19.976,25 20.072,25 20.119,25.047 20.5,25.047 20.547,25 U20.1@20.95,25 C78.1@22.3,25 ; U24.6@36.6,13.3 36.6,12.4 36.8,12.2 C93.2@36.8,11.7
  8-Bottom w0.18: C87.2@23.3,21.4 23.7,21.4 24,21.1 24,20.5 24.3,20.2 U24.47@24.9,20.2 ; C96.1@23.3,27.3 23.8,27.3 24.1,27 U24.64@24.9,27 ; C89.2@26.3,11.7 26.3,12.2 26.6,12.5 U24.31@26.6,13.3 ; C94.1@31.5,29.8 31.5,29.4 31.8,29.1 U24.79@31.8,28.3 ; C91.2@32.9,11.7 33.035,11.835 33.265,11.835 33.8,12.37 U24.13@33.8,13.3 ; U24.95@38.2,28.3 38.2,29.1 38.5,29.4 C92.1@38.5,29.8 ; U24.128@39.9,14.6 40.8,14.6 41,14.8 C95.1@41.5,14.8 ; U24.111@39.9,21.4 40.8,21.4 41.1,21.1 C90.1@41.5,21.1
  8-Bottom w0.2: C51.2@16.2,27.1 16.1,27 16.1,25.6 U11.12@16.3,25.6 ; R21.1@30,45.6 30.373,45.6 30.471,45.501 30.471,45.464 30.473,45.463 30.473,45.227 30.6,45.1 Q1.2@31.06,45.1 v5(31.7,45.1) Q1.5@32.34,45.1 32.8,45.1 32.927,44.973 32.927,44.7 33.027,44.6 R22.1@33.4,44.6 ; U23.4@35.85,10.706 36.794,10.706 C86.2@36.8,10.7
  8-Bottom w0.25: 44.05,3.35 U29.8@44.7,3.35
  8-Bottom w0.3: v5(4.2,12.202) 4.2,11.865 6.2,9.865 6.2,9 5.9,8.7 R71.2@5.9,7.8 ; R155.1@10.3,15.9 R154.1@10.3,16.9 10.9,16.9 11.4,17.4 12.6,17.4 13.1,17.9 14.7,17.9 ; 19.4,17.6 19.4,16.2 19.6,16 R14.1@20,16 ; v3(21.3,19.6) 21.3,21.7 21.8,22.2 22.9,22.2 23.2,21.9 23.2,21.6 C87.2@23.3,21.5 ; C78.1@22.4,24.9 22.3,25 22.3,25.3 21.9,25.7 C77.1@21.9,26.1 v5(22.5,26.1) v5(22.5,26.6) 22.5,27.1 22.7,27.3 C96.1@23.3,27.3 ; R158.1@25.4,11.7 C89.2@26.3,11.7 ; v5(39,10.132) R108.1@39,10.7 ; v5(40,14.1) v5(40.5,14.1) 41.2,14.1 41.5,14.4 C95.1@41.5,14.8 ; v5(41,25.3) 41.4,25.3 R151.1@41.5,25.2 ; R150.1@45.3,17.2 R149.1@46.3,17.2 v1(46.3,18.1)
  8-Bottom w0.4: C168.2@15.3,12.5 15.33,12.47 v5(15.33,10.735) ; C51.2@16.2,27.1 v3(17.8,27.1) ; v3(26.3,11) C89.2@26.3,11.7 ; R12.1@27.8,30.8 R11.1@28.9,30.8 ; C94.1@31.6,29.8 32.4,29.8 32.3,29.9 v3(32.3,30.6) ; R15.1@32,11.7 C91.2@32.9,11.7 32.9,12.1 32.7,12.3 v3(32.3,12.3) ; v3(36.5,9.9) 36.8,10.2 C86.2@36.8,10.7 C93.2@36.8,11.7 ; C92.1@38.5,29.8 38.9,29.8 v3(39.2,29.5) ; C110.2@39.3,7.85 C112.2@39.3,9.1 v3(40.3,9.1) v3(40.3,8.5) v3(40.3,7.9) ; C90.1@41.5,21 42.027,21 v3(42.327,21.3) ; C126.2@43.8,3.4 C125.2@43.8,4.4 v5(44.4,4.4) v5(44.4,3.9) ; v3(45.9,31.5) v3(45.9,30.9) v3(45.9,30.3) 45.9,29.8 45.7,29.6 C124.2@45.7,27.7 46.2,27.7 46.4,27.5 47.7,27.5 48.205,26.995 U28.8@48.205,26.5 ; v1(46.951,38.1) 47.2,38.1 47.4,37.9 C35.2@47.9,37.9 47.9,37.5 46.9,36.5 46.9,35.235 X5.2@47.265,34.87
  8-Bottom w0.6: v3(35.7,7.6) v3(36.3,7.6) v3(36.9,7.6) 37.15,7.85 C110.2@39.3,7.85
  other v1: 28.3,30.8
  other v3: 17.9,18.8 18.9,18.9 21.3,19 18.3,19.3
  other v5: 40.4,32 41,32 40,32.4 40.9,33.5
+3V3_AUD: C81.2 C84.2 C175.2 C176.2 FB5.1 R103.2 R104.2 R181.2 U22.2 U22.7 U22.8 U37.12 U37.13 U37.14 | length 38.2
  1-Top w0.3: 25,13.8 R181.2@26.2,13.8 ; v3(42.298,7.3) 42.298,9.298 v5(42.8,9.8) ; v5(42.7,11) 43.2,11.5 R104.2@43.8,11.5
  1-Top w0.4: v5(42.7,11) v5(42.7,10.5) C84.2@43.3,10.5 v5(43.3,9.8) ; v5(42.8,9.8) v5(43.3,9.8) ; v5(46,9) v5(46,9.5) C81.2@45.3,9.5 43.6,9.5 v5(43.3,9.8)
  4-PWR w0.5: 25,13.25 27.85,13.25 29.7,11.4 40.805,11.4 42.405,9.8 v5(42.8,9.8) v5(43.3,9.8)
  8-Bottom w0.2: U22.7@43.575,11 v5(42.7,11) 42.7,11.3 42.9,11.5 U22.8@43.575,11.5 ; v5(46,9.5) 46.25,9.75 U22.2@46.25,10.325
  8-Bottom w0.3: R103.2@41.2,11.7 41.227,11.673 41.227,11.273 41.5,11 v5(42.7,11) ; v3(42.298,7.3) 43.098,6.5 FB5.1@43.5,6.5
  8-Bottom w0.4: v5(42.7,10.5) v5(42.7,11) ; v5(46,9) v5(46,9.5)
  other v5: 24.8,13 25.3,13 24.8,13.5 25.3,13.5